# Altium PCB PCB1.PcbDoc (part 1 of 2)
Units mm, origin at the board's own origin, x right, y up, seen from the top; angles counter-clockwise.
Board outline 149.2 x 182.7 mm, 2 copper layers (Top Layer, Bottom Layer); 221 components, 117 nets, 602 pads, 222 vias.
Unrouted connection lines stored in the file: 1.
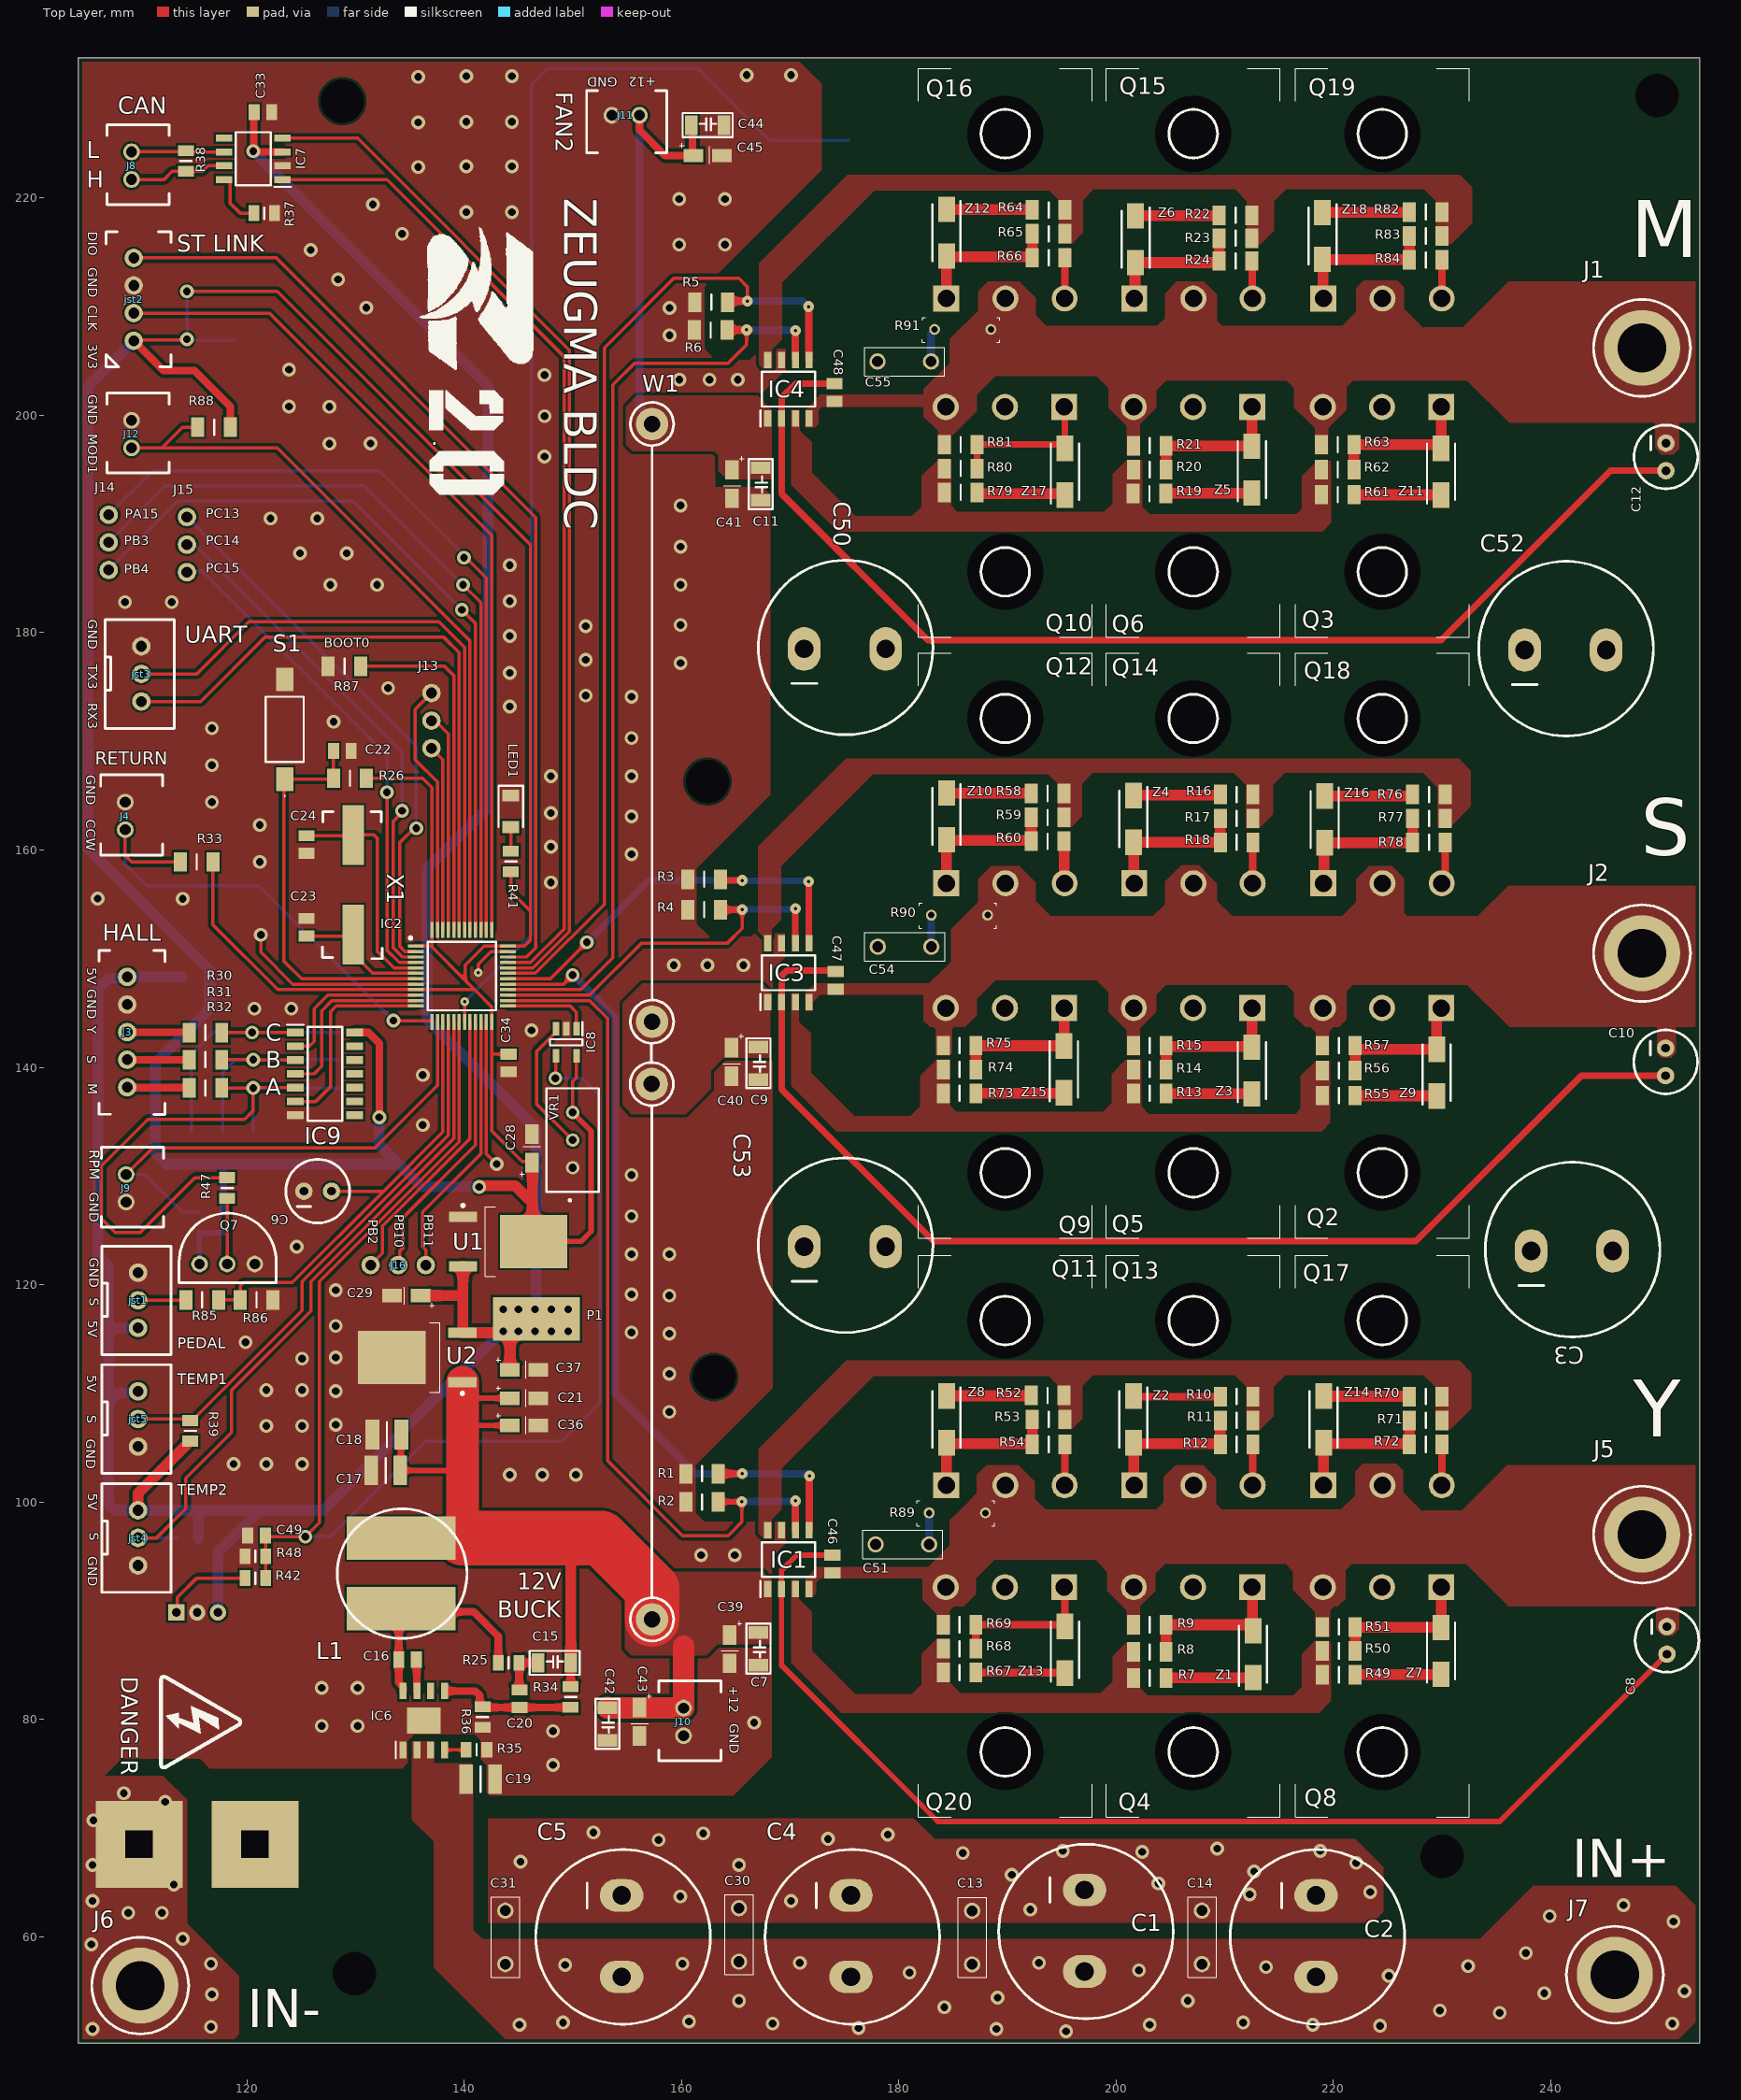
[diagram p0: Top Layer view]
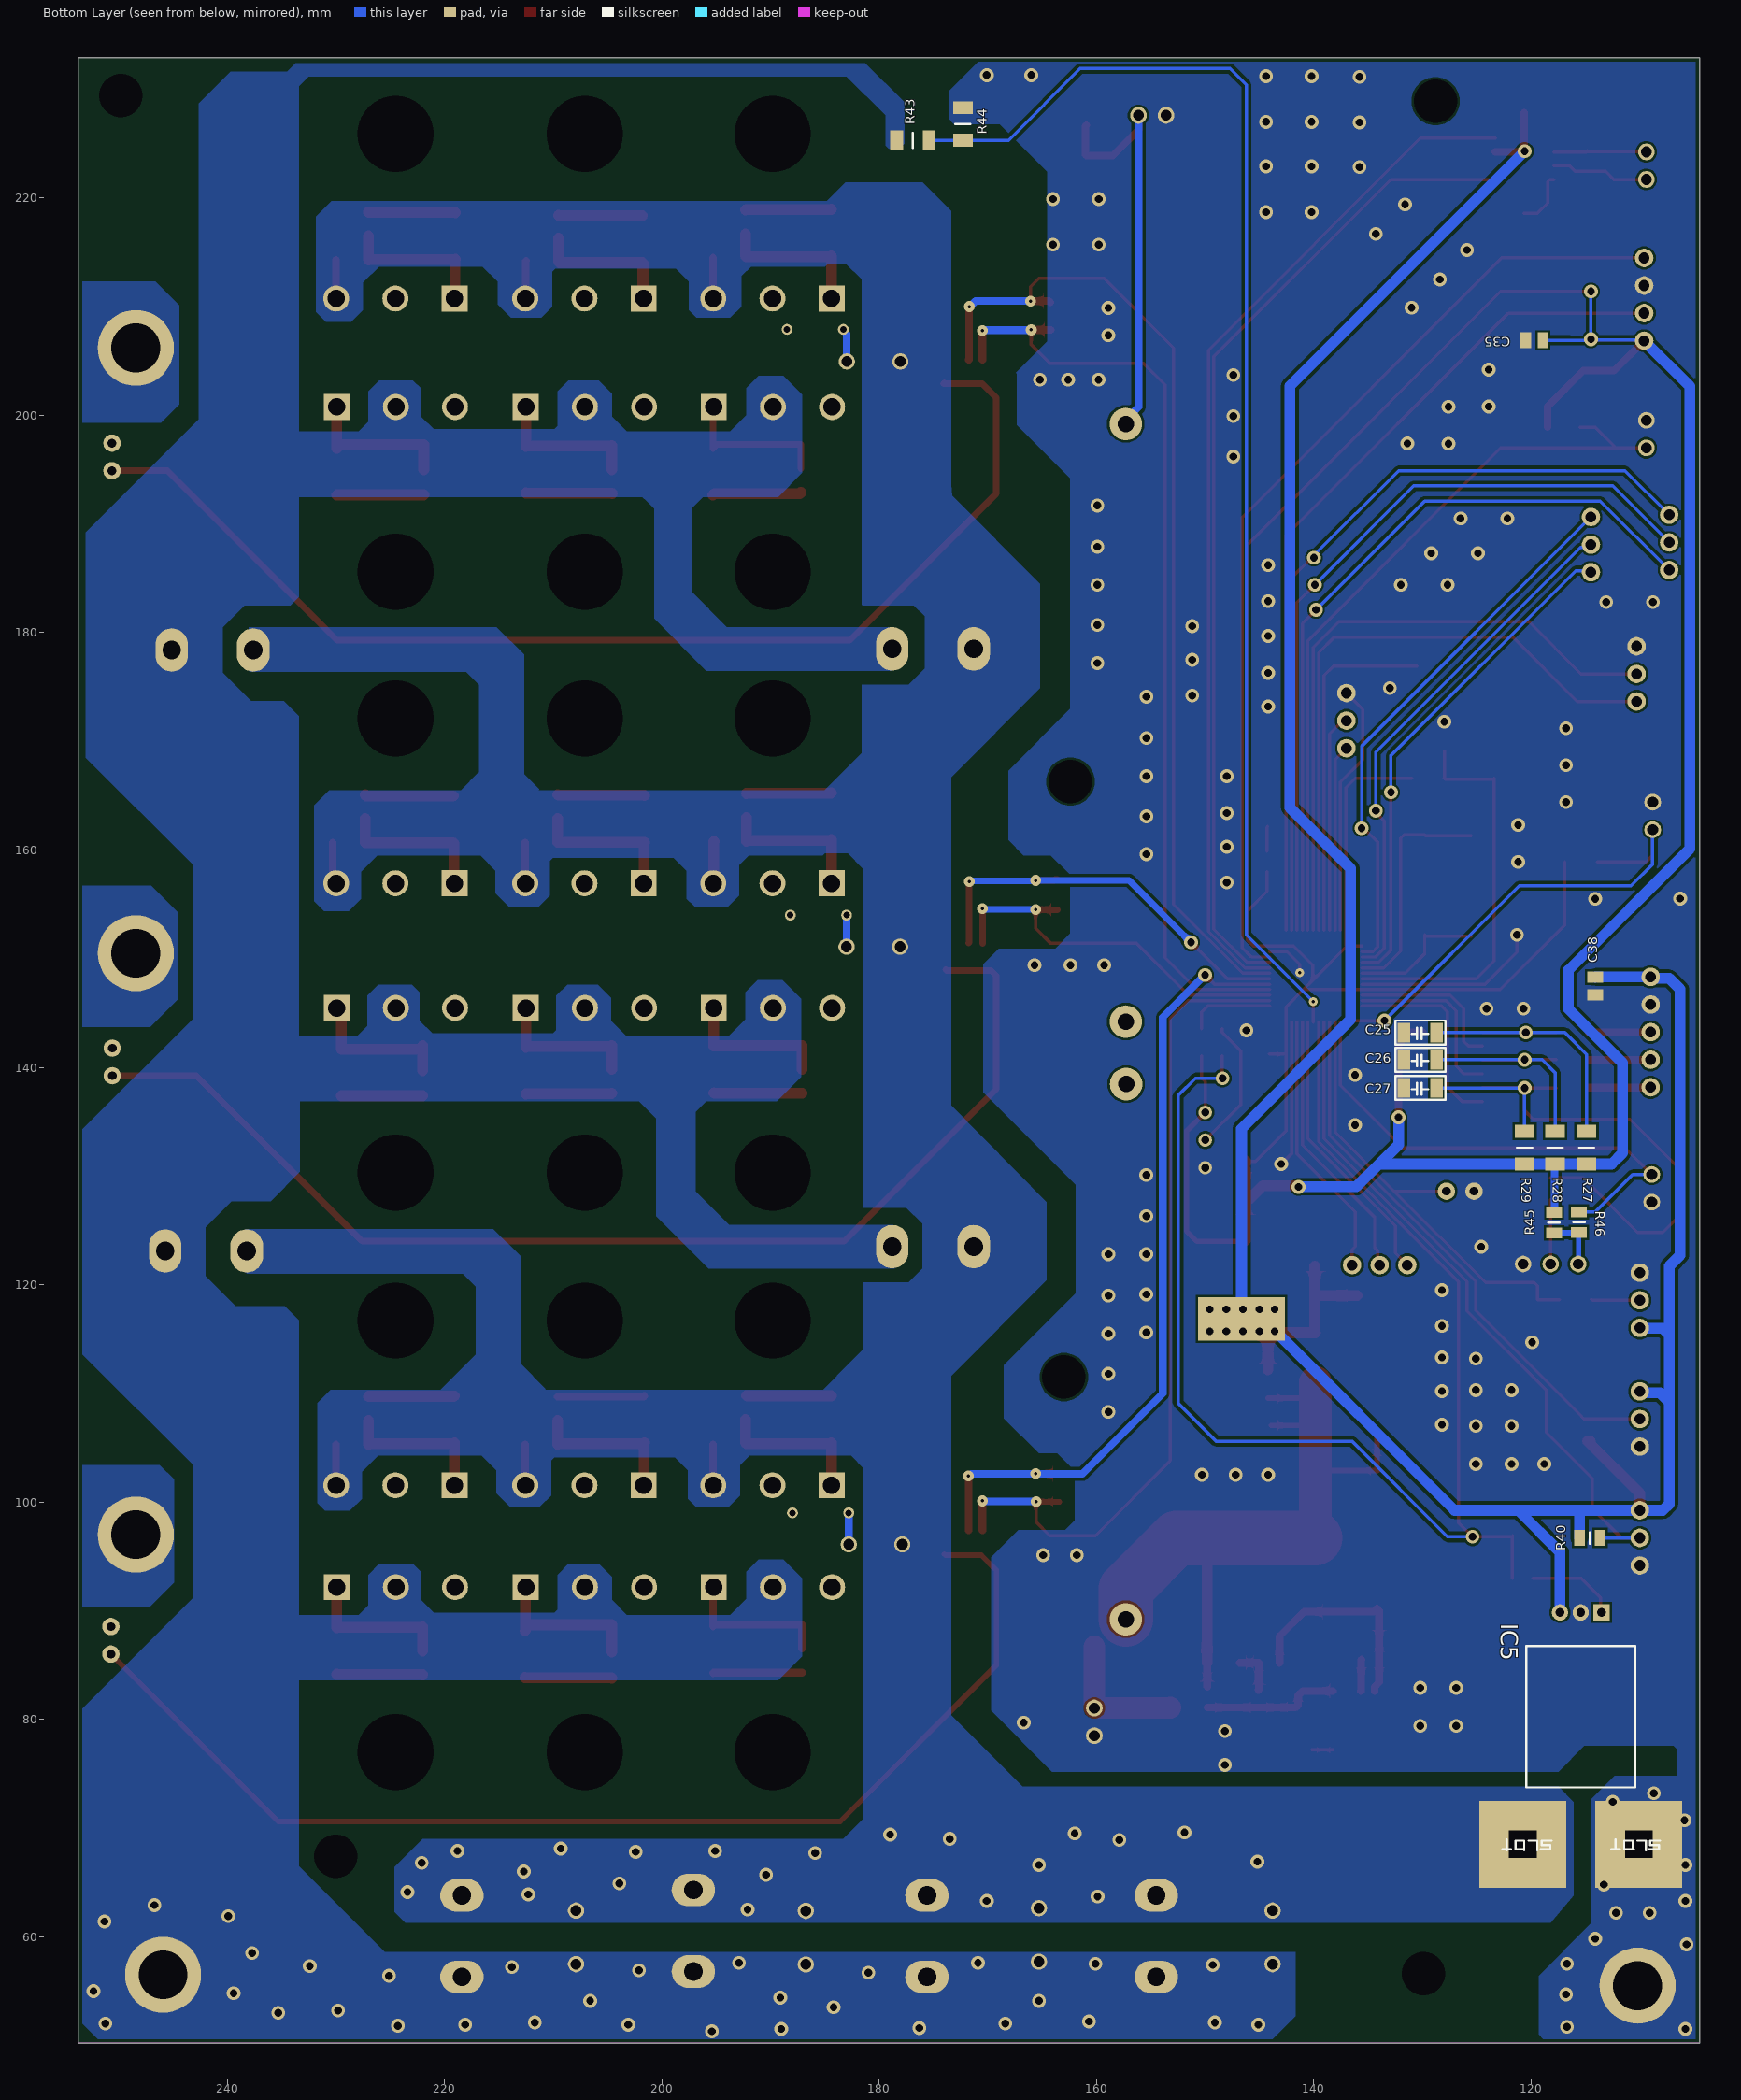
[diagram p1: Bottom Layer view, seen from below]
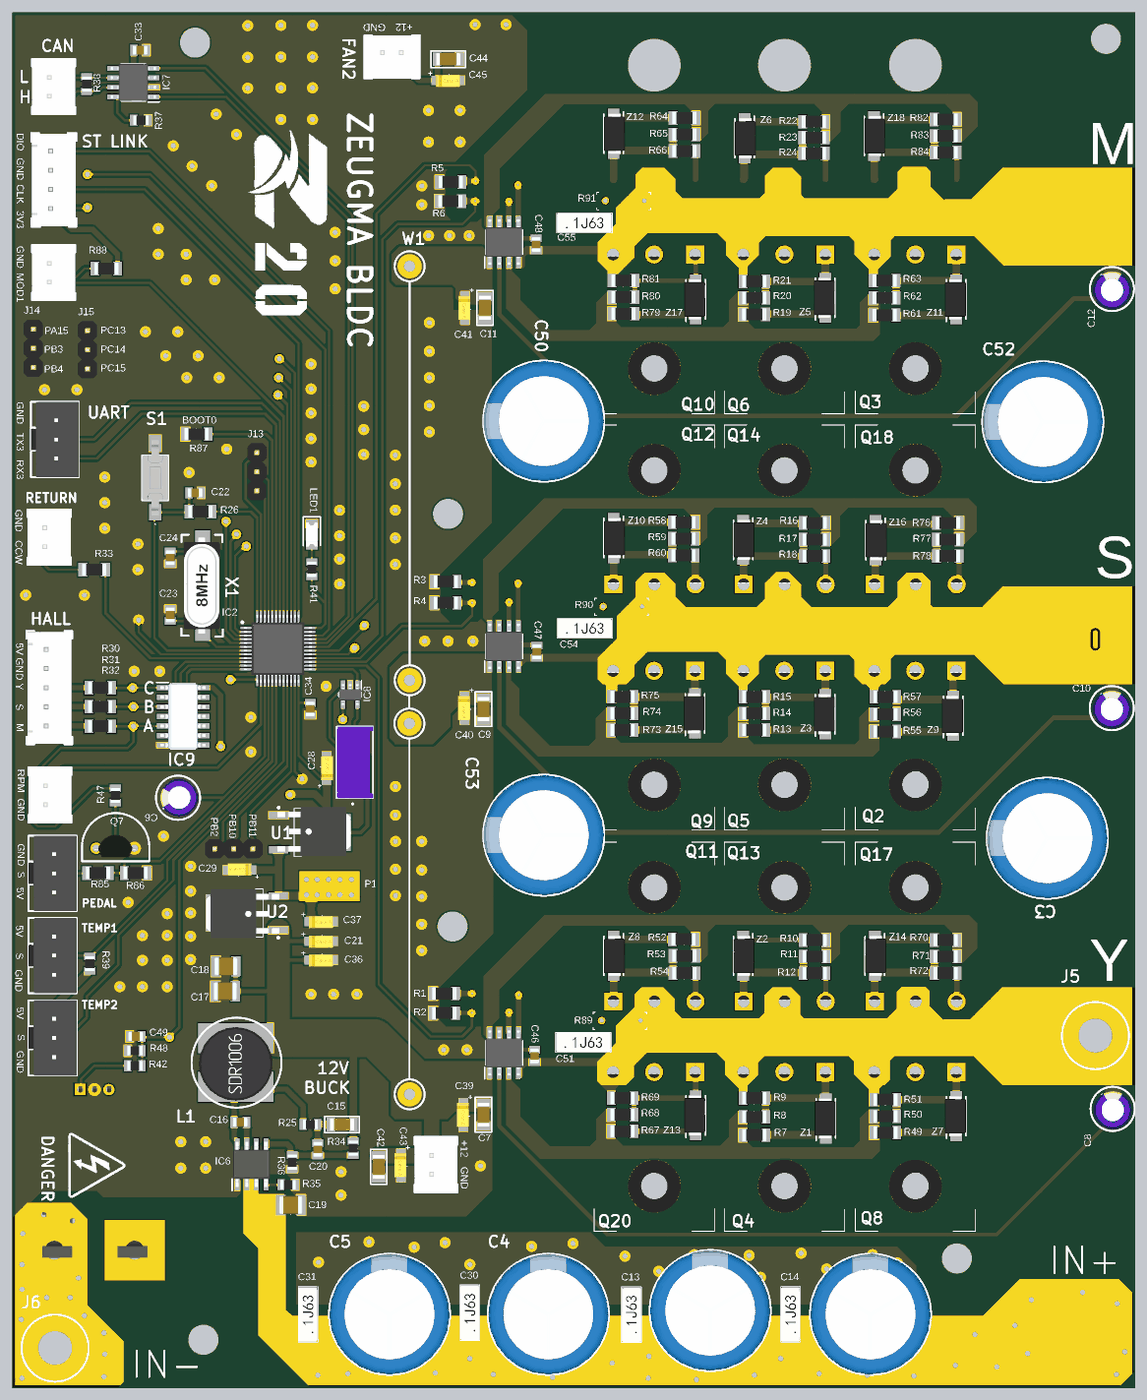
[diagram p3: 3D render of the assembled board from above, using the file's embedded part models]
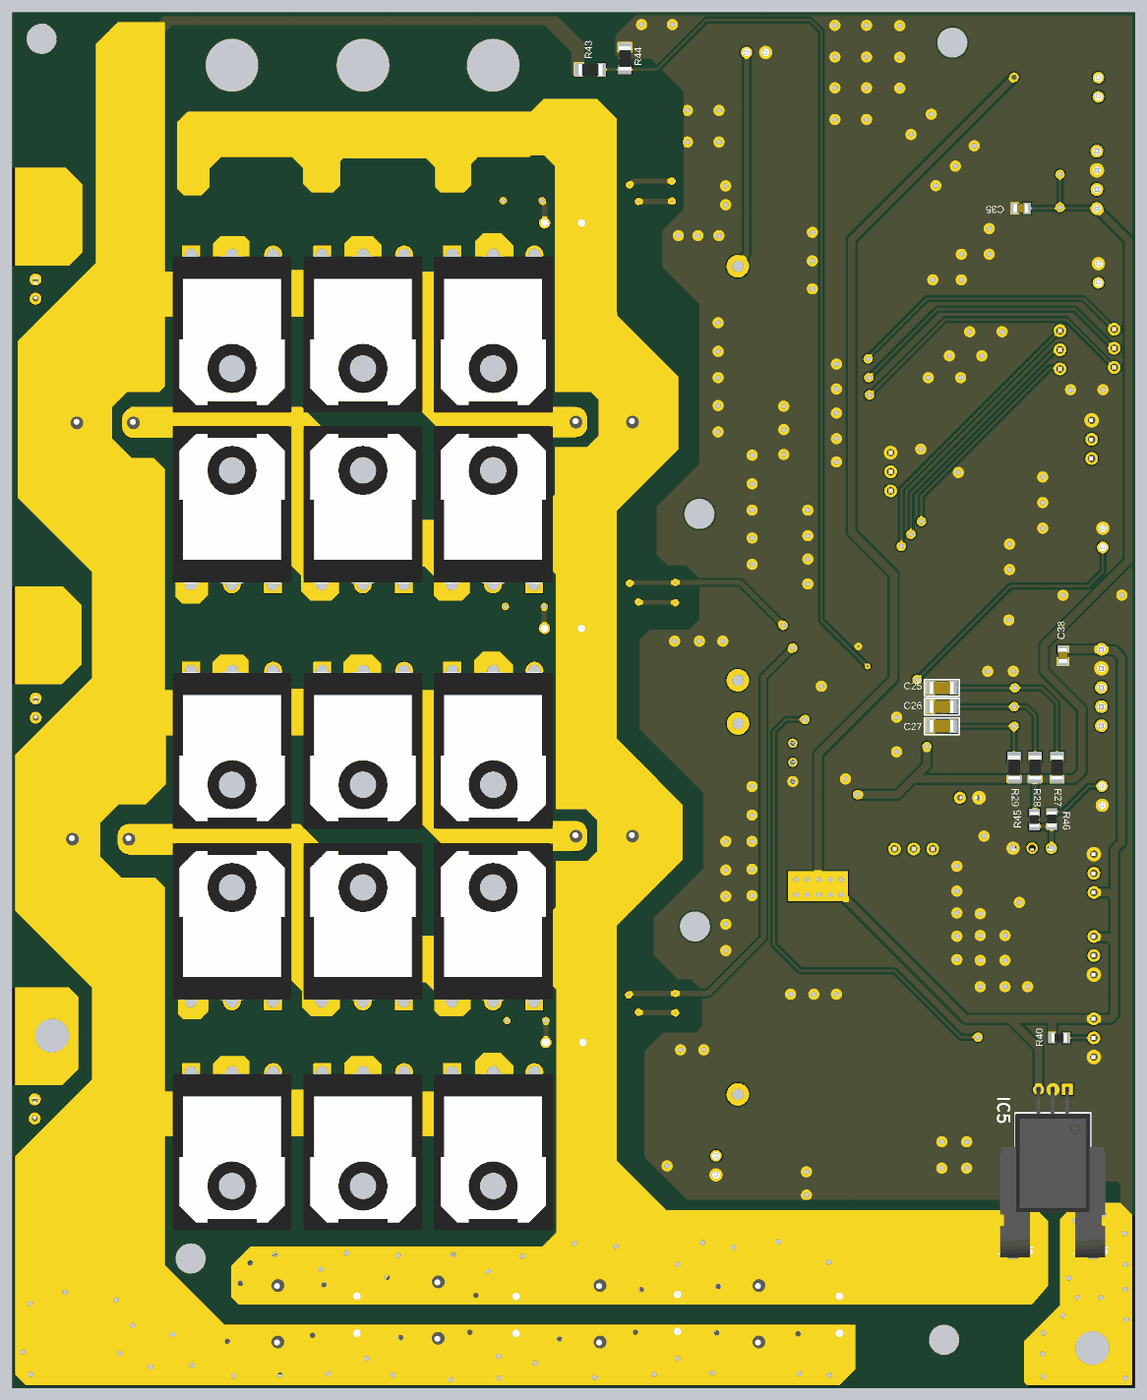
[diagram p4: 3D render of the assembled board from below, using the file's embedded part models]

## Layer stack, top to bottom
Top Solder: solder mask 0.0102, Solder Resist, Dk 3.5
Top Layer: signal copper 0.0356
Dielectric 1: dielectric 0.32, FR-4, Dk 4.8
Bottom Layer: signal copper 0.0356
Bottom Solder: solder mask 0.0102, Solder Resist, Dk 3.5

## Board outline
104.5,232.9 253.7,232.9 253.7,50.2 179.8,50.2 125.9,50.2 104.5,50.2

## Design rules (kind name [scope] priority, off if disabled: settings)
Clearance [All] p1: gap=0.2 ignorepadtopadclearanceinfootprint=FALSE except(0.3: Arc-Fill Arc-Poly Arc-Region Track-Fill Track-Poly Track-Region Fill-Fill Fill-Poly Fill-Region Poly-Poly Poly-Region Region-Region)
Height [All] p1: minheight=0 maxheight=254 prefheight=12.7
HoleSize [All] p1: absolutevalues=TRUE maxlimit=100 minlimit=0.025 maxpercent=80.000 minpercent=20.000
MinimumSolderMaskSliver [All] p1: minsoldermaskwidth=0.01
PolygonConnect [All] p1: connectstyle=Direct reliefconductorwidth=0.254 reliefentries=4 polygonreliefangle="90 Angle" airgapwidth=0.254
RoutingVias [All] p1: holewidth=0.711 width=1.27 viastyle="Through Hole" minholewidth=0.711 minwidth=1.27 maxholewidth=0.711 maxwidth=1.27
SilkToSolderMaskClearance [IsPad] p1: minsilkscreentomaskgap=0 clearancetoexposedcopper=TRUE
SolderMaskExpansion [All] p1: expansion=0.102 istentingtop=FALSE
Width [All] p1: maxlimit=25.4 minlimit=0.254 preferedwidth=0.254 minimp=50.000000 maximp=50.000000 favimp=50.000000
26 further rules are at their usual default settings.

## Components (designator, comment, footprint, x,y, rotation, side; value= is the part's Value field where it differs from the comment)
C1 "100V 470uF 7.5mm cap" "100v 470UF" 207.26,48.926 r90 top
C2 "100V 470uF 7.5mm cap" "100v 470UF" 228.56,48.426 r90 top
C3 "100V 470uF 7.5mm cap" "100v 470UF" 253.574,133.26 r180 top
C4 "100V 470uF 7.5mm cap" "100v 470UF" 185.76,48.426 r90 top
C5 "100V 470uF 7.5mm cap" "100v 470UF" 164.66,48.426 r90 top
C6 "10uF elect cap" "50V 0.1uF elect cap" 127.927,128.727 r180 top
C7 "0.1 uF C1206" C1206 166.6,85.925 r90 top
C8 "50v 0.1uF elect cap" "50V 0.1uF elect cap" 250.827,85.873 r90 top
C9 "0.1 uF C1206" C1206 166.6,139.8 r90 top
C10 "50v 0.1uF elect cap" "50V 0.1uF elect cap" 250.7,139.1 r90 top
C11 "0.1 uF C1206" C1206 166.8,193.1 r90 top
C12 "50v 0.1uF elect cap" "50V 0.1uF elect cap" 250.727,194.773 r90 top
C13 "100nF POLYESTER CAPACITOR" "100uF POLYESTER CAPACITOR" 188.3,58.5 r90 top
C14 "100nF POLYESTER CAPACITOR" "100uF POLYESTER CAPACITOR" 209.45,58.525 r90 top
C15 "3.3nF C1206" C1206 148.9,84.7 r180 top
C16 "0805 2.2nF" CAPC2012X94N 134.8,85.5 r0 top
C17 "47uf  1210" CAPC3225X270N 132.8,102.9 r180 top
C18 "47uf  1210" CAPC3225X270N 132.9,106.2 r180 top
C19 "2.2uf  1210" CAPC3225X270N 141.52,74.494 r0 top
C20 "0805 56pF" CAPC2012X94N 145.1,81.9 r270 top
C21 "10 uF - Tantal" C1206-TANT 145.7,109.6 r0 top
C22 "08055A150JAT2A" CAPC2012X94N 128.8,169.1 r180 top
C23 "08055A150JAT2A" CAPC2012X94N 125.5,152.89 r270 top
C24 "08055A150JAT2A" CAPC2012X94N 125.5,160.5 r90 top
C25 "0.1 uF C1206" C1206 130.775,143.7 r180 bottom
C26 "0.1 uF C1206" C1206 130.775,141.2 r180 bottom
C27 "0.1 uF C1206" C1206 130.775,138.6 r180 bottom
C28 "10 uF - Tantal" C1206-TANT 146.2,132.7 r90 top
C29 "10 uF - Tantal" C1206-TANT 134.525,118.95 r180 top
C30 "100nF POLYESTER CAPACITOR" "100uF POLYESTER CAPACITOR" 166.85,58.75 r90 top
C31 "100nF POLYESTER CAPACITOR" "100uF POLYESTER CAPACITOR" 145.35,58.525 r90 top
C33 "08055A150JAT2A" CAPC2012X94N 121.49,227.9 r180 top
C34 "08055A150JAT2A" CAPC2012X94N 144.1,140.4 r90 top
C35 "08055A150JAT2A" CAPC2012X94N 119.71,206.9 r180 bottom
C36 "10 uF - Tantal" C1206-TANT 145.7,107.1 r0 top
C37 "10 uF - Tantal" C1206-TANT 145.7,112.2 r0 top
C38 "08055A150JAT2A" CAPC2012X94N 114.1,147.49 r90 bottom
C39 "10 uF - Tantal" C1206-TANT 164.5,86.3 r270 top
C40 "10 uF - Tantal" C1206-TANT 164.65,140.345 r270 top
C41 "10 uF - Tantal" C1206-TANT 164.7,193.5 r270 top
C42 "0.1 uF C1206" C1206 152.7,79 r90 top
C43 "10 uF - Tantal" C1206-TANT 156.2,79.6 r270 top
C44 "0.1 uF C1206" C1206 163,226.2 r180 top
C45 "10 uF - Tantal" C1206-TANT 162.575,223.95 r0 top
C46 "0805 56pF" CAPC2012X94N 173.9,94.3 r270 top
C47 "0805 56pF" CAPC2012X94N 174.2,148 r270 top
C48 "0805 56pF" CAPC2012X94N 174.1,202.1 r270 top
C49 "0805 56pF" CAPC2012X94N 120.9,96.9 r180 top
C50 "100V 470uF 7.5mm cap" "100v 470UF" 186.674,188.66 r180 top
C51 "100nF POLYSTR" "100uF POLYESTER CAPACITOR" 178.925,94.55 r0 top
C52 "100V 470uF 7.5mm cap" "100v 470UF" 252.974,188.56 r180 top
C53 "100V 470uF 7.5mm cap" "100v 470UF" 186.674,133.66 r180 top
C54 "100nF POLYSTR" "100uF POLYESTER CAPACITOR" 179.125,149.55 r0 top
C55 "100nF POLYSTR" "100uF POLYESTER CAPACITOR" 179.1,203.4 r0 top
IC1 "UCC27201ADR" SOIC127P600X175-8N 169.85,94.7 r90 top
IC2 "STM32F103C8T6TR" QFP50P900X900X160-48N 139.8,148.4 r0 top
IC3 "UCC27201ADR" SOIC127P600X175-8N 169.85,148.7 r90 top
IC4 "UCC27201ADR" SOIC127P600X175-8N 169.85,202.4 r90 top
IC5 "ACS758LCB-100B-PFF-T" ACS772ECB200BPFFT 113.529,89.836 r0 bottom
IC6 "LM5164DDAT" SOIC127P600X170-9N 136.3,79.9 r90 top
IC7 "MCP2551-E_SN" SOIC127P600X175-8N 120.6,223.6 r180 top
IC8 "NCS325SN2T1G_1" SOT95P275X110-5N 149.4,142.3 r270 top
IC9 "74HC14DB,112" SOIC127P600X175-14N 127.2,139.4 r0 top
J1 "power hole" "power hole metric5" 270.4,206.2 r0 top
J2 "power hole" "power hole metric5" 270.4,150.5 r0 top
J3 "5X JST CONNECTOR" "5X HEADER" 113.663,134.793 r90 top
J4 "2 pin grove connector" "2 pin grove connector" 106.561,172.112 r270 top
J5 "power hole" "power hole metric5" 248.4,119 r90 top
J6 "power hole" "power hole metric5" 110.2,77.5 r90 top
J7 "power hole" "power hole metric5" 267.9,56.5 r0 top
J8 "2 pin grove connector" "2 pin grove connector" 107.143,231.952 r270 top
J9 "2 pin grove connector" "2 pin grove connector" 106.643,137.852 r270 top
J10 "2 pin grove connector" "2 pin grove connector" 157.943,88.752 r270 top